# Altium PCB as_x31.PcbDoc (part 3 of 8) (continued)
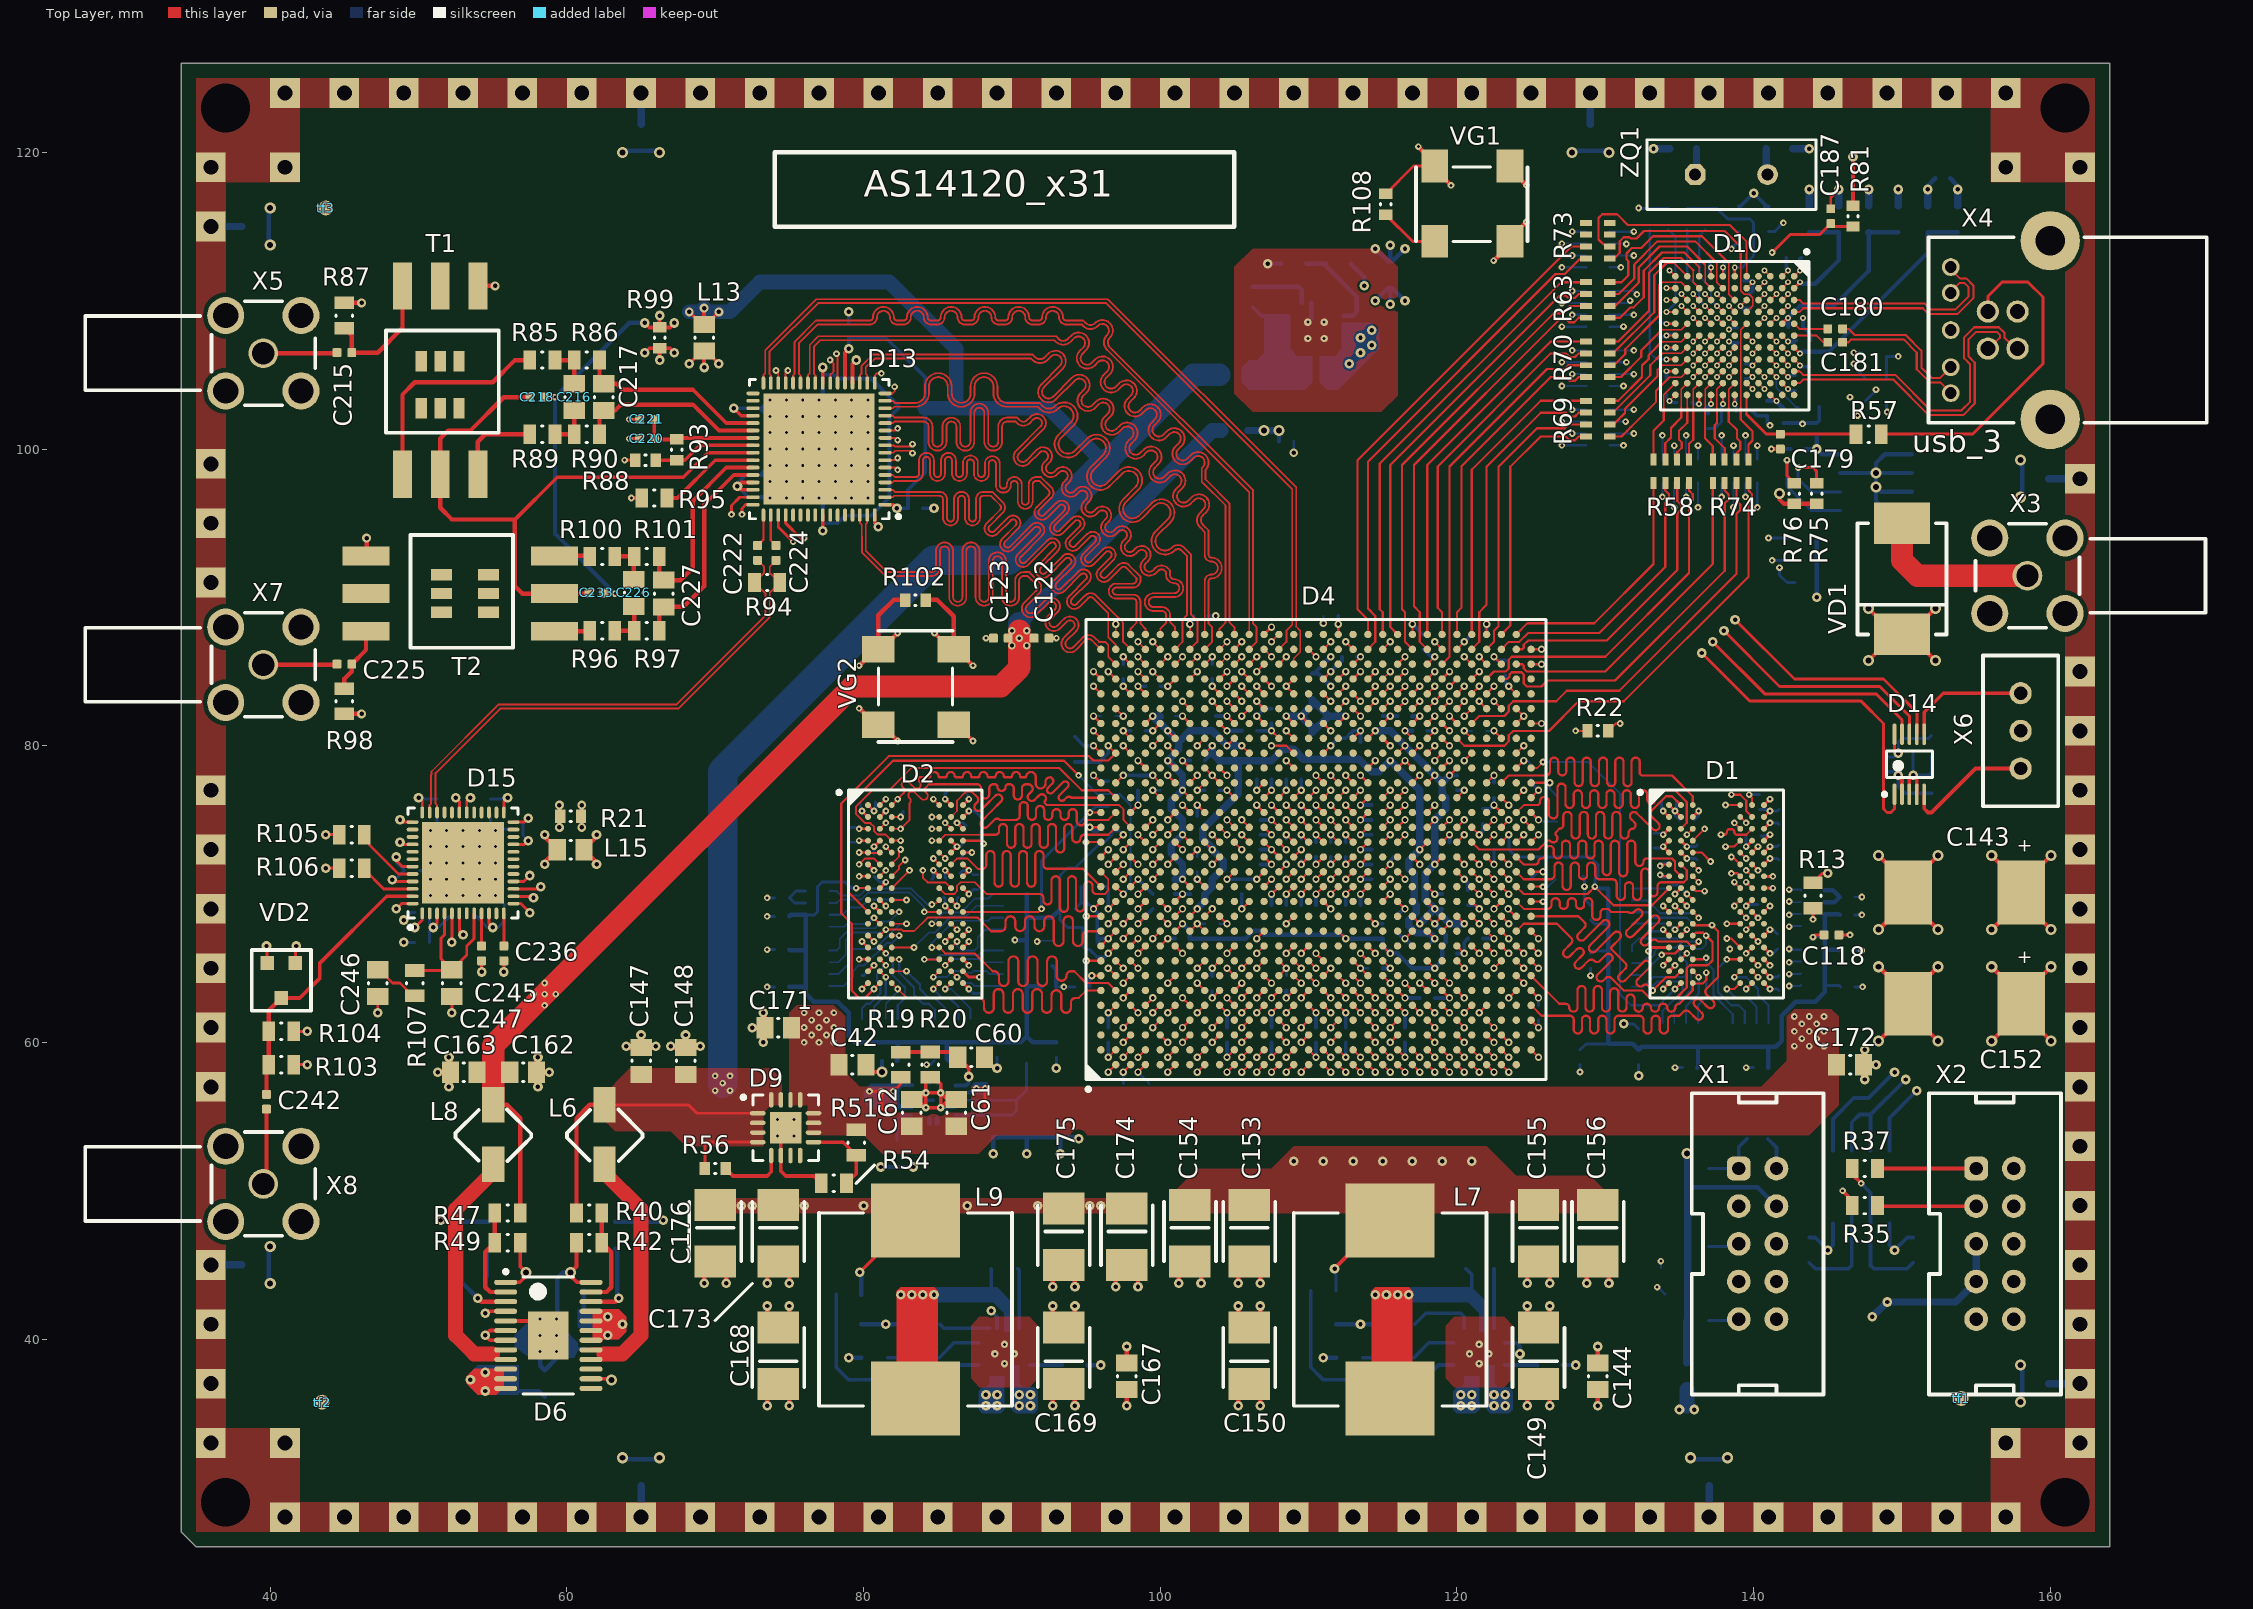
[diagram p0: Top Layer view]
## Nets (pads, with @x,y where several pads share a name; then routed paths per layer and width w, separated by ;. In a path a pad name is that pad's centre, name@x,y a point inside that pad or via, vN(x,y) a via of type N, cw(c..) or ccw(c..) an arc to the next point about the centre after c; other vN are vias at no path point) (continued)
  Bottom Layer w0.25: C160.1@56.25,39.9 57.85,39.9 v4(58.2,40.25) ; v4(59.3,39.15) 59.5,39.35 C159.1@61.25,39.35 ; C235.1@79,108.5 v3(79,109.25) ; v6(81.25,58) C8.2@81.25,58.75 ; D3.8@83.225,56.1 D3.11@84.7,56.1 ; C234.1@84,96 v3(84.75,96) ; v1(95.25,74.5) 95.5,74.25 C120.1@95.75,74.25 ; v1(95.5,69) 95.75,68.75 C121.1@95.75,67.75 C21.1@95.75,66.75 96,67 v1(96.5,67) ; v1(95.5,78) 95.9,77.6 R16.1@96.5,77.6 ; v1(96.5,59) C124.1@96.5,60 ; v1(97.5,78) C125.1@98.5,78 v1(99.5,78) ; v1(97.5,81) C126.1@98,81 ; v1(97.5,84) C142.1@97.5,84.5 ; v1(98.5,71) C127.1@99.5,70 ; v1(98.5,84) C141.1@99,84 ; v1(100.5,67) C95.1@101,67 ; C103.1@101,70 v1(101.5,70) C82.1@102,70 ; v1(101.5,79) C86.1@102,79 ; C132.1@102.5,75.25 v1(102.5,76) ; v1(102.5,77) C130.1@103,77 ; C100.1@103.25,88.75 v1(103.75,88.75) ; C140.1@103.5,85.5 v1(103.5,86) ; C133.1@103.75,82 v1(104.5,82) ; v1(104.5,59) C63.1@104.5,60 ; v1(104.5,71) C129.1@105.5,71 ; C129.1@105.5,71 v1(106.5,71) ; v1(106.5,77) C65.1@106.5,77.75 ; C73.1@106.5,81 v1(107.5,81) C99.1@107.5,81.5 ; C78.1@106.75,73 v1(107.5,73) ; C89.1@106.75,75 v1(107.5,75) ; v1(107.5,59) C75.1@107.5,60 ; C66.1@107.5,69.25 v1(107.5,70) ; C91.1@108.5,73.75 v1(108.5,74) ; v1(108.5,77) C77.1@108.5,77.75 ; C67.1@109.5,69.25 v1(109.5,70) ; v1(109.5,72) C92.1@109.5,72.25 ; v4(109.95,108.55) D12.17@110.175,108.775 ; v1(110.5,59) C64.1@110.5,60 ; C69.1@110.5,73.5 v1(110.5,74) ; C79.1@110.5,75.75 v1(110.5,76) ; v1(111.5,72) C81.1@111.5,72.5 ; v1(111.5,80) 112,80.5 C98.1@112.5,80.5 113,81 v1(113.5,81) ; v1(112.5,59) C94.1@112.5,60 ; C87.1@112.5,73.5 v1(112.5,74) ; C134.1@113.25,86 v1(113.5,86) ; C68.1@113.5,69.25 v1(113.5,70) ; v1(113.5,72) C80.1@114.25,72 ; v1(113.5,74) C88.1@114.25,74 ; v1(113.5,76) C90.1@114.25,76 ; C85.1@113.5,80.25 v1(113.5,81) ; v1(114.5,68) C110.1@115,68 ; C105.1@115,82 v1(115.5,82) C96.1@116,82 ; v1(115.5,72) 115.5,72.25 C84.1@115.75,72.5 ; C250.1@115.9,67.5 116.4,67 v1(116.5,67) C83.1@117,66.5 ; v1(116.5,59) C76.1@116.5,60 ; v1(116.5,63) C93.1@117.5,63 ; v1(117,88.2) 117.7,87.5 C97.1@117.75,87.5 ; C72.1@118,81 v1(118.5,81) ; v1(118.5,70) C108.1@119,70 ; C107.1@119.5,73.5 v1(119.5,74) ; C109.1@120,66 v1(120.5,66) 120.5,66.75 C113.1@120.75,67 ; C106.1@120,77 v1(120.5,77) ; v1(120.5,87) C104.1@121,87.5 ; C111.1@120.75,69.25 121.25,69.25 v1(121.5,69) ; C112.1@121.75,75.75 122.25,75.75 v1(122.5,76) C115.1@122.5,76.5 ; v1(122.5,86) 122.75,85.75 C117.1@123.25,85.75 ; R45.2@127.1,38.25 v3(128,38.25) ; R109.2@139,116.35 139.1,116.35 v3(140,117.25) 140.9,116.35 R68.2@141,116.35 ; C205.1@139.329,111.346 139.829,111.346 v5(139.929,111.246) 139.929,110.646 C206.1@139.729,110.446 ; C214.1@139.929,102.546 140.229,102.246 C211.1@140.929,102.246 140.929,101.771 v2(141.1,101.6) ; R33.1@140.95,53.5 141.54,52.91 X1.2@141.54,51.5 ; v2(141.2,100) C209.1@142.5,100 ; C210.1@142,101.75 143.25,101.75 v2(143.3,101.7) 143.35,101.75 C212.1@144.25,101.75 144.429,101.929 R60.2@144.429,102.846 ; v5(143.129,105.646) 143.229,105.546 C190.1@143.729,105.546 ; C208.1@143.2,112.9 143.129,112.829 v5(143.129,112.046) 143.229,112.146 C185.1@143.729,112.146 ; C188.1@143.329,108.246 143.829,107.746 C213.1@143.829,107.346 ; D5.5@149.155,47.8 149.155,46.345 v3(149.5,46) 150.35,46.85 R38.1@150.75,46.85
  Bottom Layer w0.3: v6(40,43.75) 39.9,43.85 L23.1@39.9,45 39.9,46.15 v6(40,46.25) ; v6(40,113.75) 39.9,113.85 L24.1@39.9,115 39.9,116.15 v6(40,116.25) ; v3(51.5,48) 51.6,47.9 C165.1@52.75,47.9 C164.1@54.75,47.9 ; v4(58.2,39.15) 58.2,38.2 C145.1@58.5,37.9 59.3,38.7 v4(59.3,39.15) ; v4(59.3,41.35) 59.35,41.4 C146.1@59.35,43.25 59.35,44.1 59.75,44.5 v6(60.25,44.5) ; C158.1@63.25,47.9 C157.1@65.25,47.9 66.4,47.9 v3(66.5,48) ; v2(63.25,90.25) 59.2,94.3 v2(59.2,103.5) 64.2,108.5 v3(65.25,108.5) ; v6(63.75,32) 63.85,31.9 L22.1@65,31.9 66.15,31.9 v6(66.25,32) ; v6(63.75,120) 63.85,120.1 L17.1@65,120.1 66.15,120.1 v6(66.25,120) ; v3(79,38.75) C178.1@79.85,38.75 ; R52.1@79.85,41 v3(81.5,41) C177.1@83.35,41 ; v3(81.15,51.6) C43.1@82.25,51.6 v3(83.35,51.6) ; v3(88.75,52.5) C39.1@88.75,53.6 C40.1@91,53.6 ; v3(91,52.5) C40.1@91,53.6 ; R14.2@92.75,65.15 93,64.9 C12.2@93,63.75 ; v3(93.25,52.5) C41.1@93.25,53.6 ; v3(94.5,53.5) 94.4,53.6 C41.1@93.25,53.6 ; R53.2@95.1,38.25 v3(96,38.25) ; v3(107.25,112.5) R83.1@108.15,112.5 ; D12.17@110.175,108.775 D12.6@110.175,109.875 ; v3(111,38.75) C166.1@111.85,38.75 ; R44.1@111.85,41 v3(113.5,41) ; v3(113.5,41) C161.1@115.35,41 ; v3(114.5,113.5) 115.35,112.65 C184.1@115.5,112.65 ; v3(115.5,113.75) C184.1@115.5,112.65 ; v3(116.5,113.5) 115.65,112.65 C184.1@115.5,112.65 ; v6(127.75,120) 127.85,120.1 L18.1@129,120.1 130.15,120.1 v6(130.25,120) ; v6(135.75,32) 135.85,31.9 L21.1@137,31.9 138.15,31.9 v6(138.25,32) ; C188.1@143.329,108.246 v5(143.329,108.846) ; D11.7@145.85,98.385 v6(148.25,98.385) ; D11.4@150.65,95.845 148.905,95.845 148.25,96.5 v6(148.25,97.443) ; D11.3@150.65,97.115 148.578,97.115 v6(148.25,97.443) ; D11.2@150.65,98.385 v6(148.25,98.385) ; D11.1@150.65,99.655 148.845,99.655 148.25,99.06 v6(148.25,98.385) ; C195.1@153.25,118.25 153.75,117.75 v3(153.75,117.5) ; v6(158,35.75) 158.1,35.85 L20.1@158.1,37 158.1,38.15 v6(158,38.25) ; v6(158,96.75) 158.1,96.85 L19.1@158.1,98 158.1,99.15 v6(158,99.25) ; C40.1@91,53.6 C41.1@93.25,53.6 ; v6(148.25,97.443) v6(148.25,98.385)
  Bottom Layer w0.5: v3(133.25,120.25) C182.1@134.35,120.25 ; C183.1@142.65,120.25 v3(143.75,120.25) ; C186.1@145.75,116.4 v3(145.75,117.5) ; C189.1@149.75,116.4 v3(149.75,117.5) ; C191.1@153.75,116.4 v3(153.75,117.5)
  other v2: 79.7,71.2
  other v3: 90.5,35.5 91.25,35.5 122.5,35.5 123.25,35.5 90.5,36.25 91.25,36.25 122.5,36.25 123.25,36.25
  other v4: 89.5,38.35 121.5,38.35 88.85,39 90.15,39 120.85,39 122.15,39 89.5,39.65 121.5,39.65 59.3,40.25 58.2,41.35 74.2,53.7 75.3,53.7 74.2,54.8 75.3,54.8 109.95,107.45 111.05,107.45 111.05,108.55
0VA: C220.2 C221.2 C228.1 C229.1 C230.1 C231.1 C232.1 D13.65 R87.1 R88.1 R95.2 R98.1 R99.2 T1.6 T2.6 X5.2 X7.2 | length 16.6
  Top Layer w0.2: v2(63.9,99.25) R88.1@64.6,99.25 R88.1@64.65,99.2 ; v2(64.2,100.7) C220.2@64.9,100.7 ; v2(64.2,102) C221.2@64.9,102 ; v2(64.35,96.7) R95.2@65.05,96.7 R95.2@65.1,96.65
  Top Layer w0.25: v3(65.25,106.5) 65.55,106.8 R99.2@66.25,106.8 ; v3(66.25,106) R99.2@66.25,106.8 ; v3(67.25,106.5) 66.95,106.8 R99.2@66.25,106.8
  Top Layer w0.3: R98.1@44.96,82.19 R98.1@45,82.15 v7(46.16,82.15) ; R87.1@44.96,109.89 R87.1@45,109.85 v7(46.16,109.85) ; T2.6@46.46,92.8 46.5,92.84 v7(46.5,94) ; T1.6@53.96,111.04 T1.6@54,111 v7(55.16,111)
  Bottom Layer w0.3: C232.1@73.05,96.75 73.65,96.75 v4(73.7,96.7) ; v4(73.7,97.8) 73.25,98.25 C231.1@73.05,98.25 v4(73.7,98.9) ; v4(73.7,102.2) 73.6,102.2 C230.1@73.05,102.75 73.15,102.75 v4(73.7,103.3) ; v4(77,96.7) 77.25,96.45 C229.1@77.25,96 ; v4(77,103.3) 77.25,103.55 C228.1@77.25,104
  other v4: 74.8,96.7 75.9,96.7 78.1,96.7 79.2,96.7 80.3,96.7 74.8,97.8 75.9,97.8 77,97.8 78.1,97.8 79.2,97.8 80.3,97.8 74.8,98.9 75.9,98.9 77,98.9 78.1,98.9 79.2,98.9 80.3,98.9 73.7,100 74.8,100 75.9,100 77,100 78.1,100 79.2,100 80.3,100 73.7,101.1 74.8,101.1 75.9,101.1 77,101.1 78.1,101.1 79.2,101.1 80.3,101.1 74.8,102.2 75.9,102.2 77,102.2 78.1,102.2 79.2,102.2 80.3,102.2 74.8,103.3 75.9,103.3 78.1,103.3 79.2,103.3 80.3,103.3
0VAA: C237.1 C238.1 C239.1 C240.1 C241.1 C243.1 C244.1 D15.49 R21.2 | length 9.4
  Top Layer w0.3: v7(59.5,74.5) 59.5,75.2 R21.2@59.55,75.25 59.5,75.3 v7(59.5,76)
  Bottom Layer w0.2: v3(49,66.75) C243.1@49.75,66.75 ; v3(49,68.25) 49.5,68.75 C244.1@49.75,68.75 ; C239.1@50.05,71.6 C239.1@50.2,71.6 ; v4(50.8,71) C239.1@50.2,71.6 ; v4(50.8,72.1) 50.3,71.6 C239.1@50.2,71.6 ; v4(50.8,74.3) 51.25,74.75 C238.1@51.25,75.4 ; C237.1@54.85,75.4 54.85,74.65 v4(55.2,74.3) 55.3,74.4 C241.1@56.05,74.4 ; v4(55.2,69.9) 55.8,69.3 C240.1@55.8,69.2
  other v4: 50.8,69.9 51.9,69.9 53,69.9 54.1,69.9 51.9,71 53,71 54.1,71 55.2,71 51.9,72.1 53,72.1 54.1,72.1 55.2,72.1 50.8,73.2 51.9,73.2 53,73.2 54.1,73.2 55.2,73.2 51.9,74.3 53,74.3 54.1,74.3
12V: C143.1 C144.1 C149.1 C150.1 C152.1 C167.1 C168.1 C169.1 D7.4 D7.5 D7.6 D8.4 D8.5 D8.6 VD1.1 | length 53.9
  Top Layer w0.3: v3(73.5,35.5) 73.5,36.21 C168.1@74.25,36.96 75,36.21 v3(75,35.5) ; v3(92.75,35.5) 92.75,36.21 C169.1@93.5,36.96 94.25,36.21 v3(94.25,35.5) ; v3(97.75,35.5) C167.1@97.75,36.6 ; v3(105.25,35.5) 105.25,36.21 C150.1@106,36.96 106.75,36.21 v3(106.75,35.5) ; v3(124.75,35.5) 124.75,36.21 C149.1@125.5,36.96 126.25,36.21 v3(126.25,35.5) ; v3(129.5,35.5) C144.1@129.5,36.6 ; v6(147.75,85.75) VD1.1@149.5,87.5 ; v6(147.75,89.25) VD1.1@149.5,87.5 ; v6(152.25,85.75) VD1.1@150.5,87.5 ; v6(152.25,89.25) VD1.1@150.5,87.5 ; v6(156.05,60.1) C152.1@158.05,62.1 ; v6(156.05,65.1) C152.1@158.05,63.1 ; v6(156.05,67.6) C143.1@158.05,69.6 ; v6(156.05,72.6) C143.1@158.05,70.6 ; v6(160.05,60.1) C152.1@158.05,62.1 ; v6(160.05,65.1) C152.1@158.05,63.1 ; v6(160.05,67.6) C143.1@158.05,69.6 ; v6(160.05,72.6) C143.1@158.05,70.6 ; VD1.1@149.5,87.5 VD1.1@150.5,87.5 ; C152.1@158.05,62.1 C152.1@158.05,62.6 C152.1@158.05,63.1 ; C152.1@158.05,62.1 C152.1@158.05,63.1 ; C143.1@158.05,69.6 C143.1@158.05,70.1 ; C143.1@158.05,69.6 C143.1@158.05,70.1 ; C143.1@158.05,70.1 C143.1@158.05,70.6 ; C143.1@158.05,70.1 C143.1@158.05,70.6
  other v3: 88.25,35.5 89,35.5 120.25,35.5 121,35.5 88.25,36.25 89,36.25 120.25,36.25 121,36.25
A_485: R37.2 X2.1 | length 6.7
  Top Layer w0.25: R37.2@148.35,51.5 X2.1@155,51.5
AD97_CS: D4.J27 D15.14 | length 55.2
  Top Layer w0.15: D4.J27@104,84.5 v1(104.5,85)
  Top Layer w0.2: D15.14@56.4,69.85 57.65,69.85 v3(57.75,69.75)
  int_1 w0.15: 94.5,84.5 104,84.5 v1(104.5,85)
  int_1 w0.2: v3(57.75,69.75) 61.25,69.75 76,84.5 94.5,84.5
AD5322_DIN: D4.V25 D14.9 | length 43.8
  Top Layer w0.15: D4.V25@113,82.5 v1(113.5,82)
  Top Layer w0.2: v3(137.25,87) 140.75,83.5 148.25,83.5 150,81.75 D14.9@150,80.775
  int_2 w0.2: v1(113.5,82) 114,82.5 114,83.25 114.25,83.5 114.672,83.5 115,83.828 115,85.5 116,86.5 123,86.5 123.5,87 v3(137.25,87)
AD5322_LDAC: D4.T24 D14.1 | length 51.1
  Top Layer w0.15: D4.T24@111,81.5 v1(111.5,81)
  Top Layer w0.2: v3(136.5,86.25) 139.75,83 147.25,83 148.75,81.5 148.75,75.75 149,75.5 149.25,75.5 149.5,75.75 D14.1@149.5,76.725
  int_2 w0.2: v1(111.5,81) 112.025,81.525 113.697,81.525 114.025,81.525 115,82.5 115,83.25 115.25,83.5 115.75,83.5 116,83.75 116,85.172 116.328,85.5 123,85.5 123.5,86 126.5,86 126.75,86.25 v3(136.5,86.25)
AD5322_SCLK: D4.V26 D14.8 | length 45
  Top Layer w0.15: D4.V26@113,83.5 v1(113.5,83)
  Top Layer w0.2: v3(138,87.75) 141.75,84 148.5,84 150.5,82 D14.8@150.5,80.775
  int_2 w0.2: v1(113.5,83) 113.5,84 114,84.5 114,86.5 115,87.5 123,87.5 123.25,87.75 v3(138,87.75)
AD5322_SYNC: D4.U26 D14.7 | length 46.5
  Top Layer w0.15: D4.U26@112,83.5 v1(112.5,84)
  Top Layer w0.2: v3(138.75,88.5) 142.75,84.5 148.75,84.5 151,82.25 D14.7@151,80.775
  int_2 w0.2: v1(112.5,84) 113,84.5 113,86.5 115.175,88.675 138.575,88.675 v3(138.75,88.5)
AD9517_EXT_CLK: C242.2 D15.47 R103.1 R104.2 VD2.1 | length 19.2
  Top Layer w0.25: VD2.1@40.75,63 42,63 43.35,64.35 43.35,65.35 47.85,69.85 D15.47@49.6,69.85
  Top Layer w0.3: C242.2@39.75,56.5 39.75,58.1 39.9,58.25 39.9,60.25 39.9,62.15 VD2.1@40.75,63
AD9517_FPGA_CLK: D4.P22 D15.48 VG2.3 | length 74.4
  Top Layer w0.15: v1(107.5,80) 108.5,80 D4.P22@109,79.5
  Top Layer w0.2: v3(48.5,69) 48.85,69.35 D15.48@49.6,69.35
  Top Layer w0.3: VG2.3@86.08,81.42 86.28,81.42 v2(87.38,80.32)
  int_1 w0.2: v3(48.5,69) 48,68.5 48,66.75 49.25,65.5 60.5,65.5 75.5,80.5 81,80.5 81.75,81.25 86.45,81.25 v2(87.38,80.32) 87.56,80.5 107,80.5 v1(107.5,80)
AD9517_REF_SEL: D4.K25 D15.6 | length 61.5
  Top Layer w0.15: v1(104.5,83) D4.K25@105,82.5
  Top Layer w0.2: D15.6@52.75,68.7 52.75,67.5 v3(53,67.25)
  int_2 w0.15: 94.5,83.5 101.8,83.5 102.8,82.5 104,82.5 v1(104.5,83)
  int_2 w0.2: v3(53,67.25) 53.5,66.75 60.25,66.75 77,83.5 94.5,83.5
AD9517_REFMON: D4.L25 D15.1 | length 67.1
  Top Layer w0.15: v1(105.5,82) D4.L25@106,82.5
  Top Layer w0.2: v3(49.75,67.75) 50.25,68.25 D15.1@50.25,68.7
  int_2 w0.15: 94.5,83 100.5,83 101,82.5 101.9,82.5 102.9,81.5 105,81.5 v1(105.5,82)
  int_2 w0.2: v3(49.75,67.75) 49.75,67 51.25,65.5 60.25,65.5 76.25,81.5 80,81.5 81.5,83 94.5,83
AD9517_SCLK: D4.K27 D15.13 | length 55.4
  Top Layer w0.15: v1(104.5,84) D4.K27@105,84.5
  Top Layer w0.2: D15.13@56.4,69.35 56.9,69.35 v3(57.5,68.75)
  int_1 w0.15: 94.5,83.5 104,83.5 v1(104.5,84)
  int_1 w0.2: v3(57.5,68.75) 61.25,68.75 76,83.5 94.5,83.5
AD9517_SDIO: D4.L26 D15.16 | length 57.1
  Top Layer w0.15: v1(105.5,84) D4.L26@106,83.5
  Top Layer w0.2: D15.16@56.4,70.85 57.1,70.85 v3(57.5,71.25)
  int_2 w0.15: 94.5,85.5 101,85.5 102,84.5 105,84.5 v1(105.5,84)
  int_2 w0.2: v3(57.5,71.25) 62.25,71.25 77.2,86.2 88.6,86.2 89.3,85.5 94.5,85.5
AD9517_SDO: D4.K26 D15.15 | length 56.3
  Top Layer w0.15: D4.K26@105,83.5 v1(105.5,83)
  Top Layer w0.2: D15.15@56.4,70.35 58.1,70.35 v3(58.25,70.5)
  int_2 w0.15: 94.5,84.5 101.4,84.5 102.4,83.5 105,83.5 v1(105.5,83)
  int_2 w0.2: v3(58.25,70.5) 62.75,70.5 76.75,84.5 94.5,84.5
AD9517_STATUS: D4.J25 D15.5 | length 60.8
  Top Layer w0.15: v1(103.5,83) D4.J25@104,82.5
  Top Layer w0.2: v3(52.25,66.75) D15.5@52.25,68.7
  int_1 w0.15: 94.5,82.5 103,82.5 v1(103.5,83)
  int_1 w0.2: v3(52.25,66.75) 52.5,66.5 60.5,66.5 75.5,81.5 80.75,81.5 81.75,82.5 94.5,82.5
ADC_CLK_N: C224.1 D15.34 R94.1 | length 34.1
  Top Layer w0.125: D15.34@51.25,75.5 51.25,76 51.15,76.1 51.15,78.15 55.5,82.5 67.5,82.5 73.675,88.675 73.675,90.325 R94.1@74.35,91 73.675,91.675 73.675,92.075 C224.1@74.1,92.5
ADC_CLK_P: C222.1 D15.35 R94.2 | length 34.2
  Top Layer w0.125: D15.35@50.75,75.5 50.75,76 50.85,76.1 50.85,78.027 50.875,78.052 50.875,78.264 55.386,82.775 67.386,82.775 73.4,88.789 73.4,90.25 R94.2@72.65,91 73.3,91.65 73.3,92.05 C222.1@72.85,92.5
ADC_CML: C218.1 C233.1 D13.41 T1.2 T2.2 | length 44.9
  Top Layer w0.25: 56.5,95.25 59.35,98.1 67.85,98.1 69.5,99.75 D13.41@72.55,99.75
  Top Layer w0.3: C218.1@57.5,103.5 55.75,103.5 53.5,101.25 52,101.25 51.46,100.71 T1.2@51.46,98.3 51.46,96.04 52.25,95.25 56.5,95.25 56.5,90.75 56.99,90.26 T2.2@59.16,90.26 61.46,90.26 C233.1@61.5,90.3
ADC_CSB: D4.M28 D13.51 | length 41.6
  Top Layer w0.15: v1(106.5,85) D4.M28@107,85.5
  Top Layer w0.2: D13.51@74.25,95.55 74.25,94.75 v2(75.25,93.75) v2@75.3,93.7
  int_2 w0.2: v2(75.25,93.75) 75.75,93.25 103.95,93.25 107,90.2 107,85.5 v1(106.5,85)
ADC_D0_N: D4.A29 D13.62 | length 49.8
  Top Layer w0.125: D13.62@79.75,95.55 79.75,95.03 79.875,94.905 79.875,94.136 79.885,94.126 79.885,93.04 81.49,91.435 84.57,91.435 ccw(c84.57,92.013) 85.147,92.013 85.147,93.122 cw(c85.46,93.122) 85.46,93.435 cw(c85.46,93.122) 85.772,93.122 85.772,90.012 ccw(c86.35,90.012) 86.35,89.435 ccw(c86.35,90.012) 86.927,90.012 86.927,93.122 cw(c87.24,93.122) 87.24,93.435 cw(c87.24,93.122) 87.552,93.122 87.552,90.012 ccw(c88.13,90.012) 88.13,89.435 ccw(c88.13,90.012) 88.707,90.012 88.707,92.461 cw(c89.02,92.461) 89.02,92.774 cw(c89.02,92.461) 89.332,92.461 89.332,90.012 ccw(c89.91,90.012) 89.91,89.435 ccw(c89.91,90.012) 90.487,90.012 90.487,91.122 cw(c90.8,91.122) 90.8,91.435 91.065,91.435 91.624,90.876 cw(c91.403,90.655) 91.716,90.655 cw(c91.403,90.655) 91.624,90.434 90.839,89.649 ccw(c91.248,89.241) 90.839,88.832 ccw(c91.248,89.241) 91.656,88.832 92.441,89.617 cw(c92.662,89.396) 92.883,89.617 cw(c92.662,89.396) 92.974,89.396 cw(c92.662,89.396) 92.883,89.175 92.424,88.716 ccw(c92.832,88.308) 92.424,87.9 ccw(c92.832,88.308) 93.24,87.9 93.699,88.359 cw(c93.92,88.138) 94.141,88.359 cw(c93.92,88.138) 94.233,88.138 cw(c93.92,88.138) 94.141,87.917 93.508,87.283 ccw(c93.916,86.875) 93.508,86.466 ccw(c93.916,86.875) 94.324,86.466 94.958,87.1 cw(c95.179,86.879) 95.4,87.1 95.687,86.813 D4.A29@96,86.5
ADC_D0_P: D4.B28 D13.63 | length 51.3
  Top Layer w0.125: D13.63@80.25,95.55 80.25,95.03 80.15,94.93 80.15,93.15 81.6,91.7 84.57,91.7 ccw(c84.57,92.013) 84.882,92.013 84.882,93.122 cw(c85.46,93.122) 85.46,93.7 cw(c85.46,93.122) 86.037,93.122 86.037,90.012 ccw(c86.35,90.012) 86.35,89.7 ccw(c86.35,90.012) 86.662,90.012 86.662,93.122 cw(c87.24,93.122) 87.24,93.7 cw(c87.24,93.122) 87.817,93.122 87.817,90.012 ccw(c88.13,90.012) 88.13,89.7 ccw(c88.13,90.012) 88.442,90.012 88.442,92.461 cw(c89.02,92.461) 89.02,93.039 cw(c89.02,92.461) 89.597,92.461 89.597,90.012 ccw(c89.91,90.012) 89.91,89.7 ccw(c89.91,90.012) 90.222,90.012 90.222,91.122 cw(c90.8,91.122) 90.8,91.7 91.175,91.7 91.811,91.063 cw(c91.403,90.655) 91.981,90.655 cw(c91.403,90.655) 91.811,90.247 91.027,89.462 ccw(c91.248,89.241) 91.027,89.02 ccw(c91.248,89.241) 91.468,89.02 92.253,89.805 cw(c92.662,89.396) 93.07,89.805 cw(c92.662,89.396) 93.239,89.396 cw(c92.662,89.396) 93.07,88.988 92.611,88.529 ccw(c92.832,88.308) 92.611,88.087 ; 92.612,88.087 ccw(c92.832,88.308) 93.053,88.087 93.512,88.546 cw(c93.92,88.138) 94.329,88.546 cw(c93.92,88.138) 94.498,88.138 cw(c93.92,88.138) 94.329,87.729 93.695,87.096 ccw(c93.916,86.875) 93.695,86.654 ; 93.696,86.653 ccw(c93.916,86.875) 94.137,86.654 94.771,87.287 cw(c95.179,86.879) 95.587,87.287 95.875,87 96.3,87 96.5,86.8 96.5,86 D4.B28@97,85.5
ADC_D1_N: D4.B29 D13.2 | length 51.6
  Top Layer w0.125: D13.2@81.45,96.75 81.97,96.75 82.07,96.85 85.12,96.85 cw(c85.12,96.613) 85.358,96.613 85.358,95.353 ccw(c85.86,95.353) 86.363,95.353 86.363,96.613 cw(c86.6,96.613) 86.838,96.613 86.838,95.353 ccw(c87.34,95.353) 87.843,95.353 87.843,96.613 cw(c88.08,96.613) 88.08,96.85 88.575,96.85 89.198,96.228 cw(c89.03,96.06) 89.267,96.06 cw(c89.03,96.06) 89.198,95.892 88.307,95.001 ccw(c88.662,94.646) 89.017,94.29 89.908,95.181 cw(c90.076,95.013) 90.244,95.182 ; 90.245,95.181 cw(c90.076,95.013) 90.314,95.013 cw(c90.076,95.013) 90.244,94.845 89.353,93.954 ccw(c89.708,93.599) 90.064,93.244 91.515,94.695 cw(c91.683,94.527) 91.851,94.695 ; 91.851,94.694 cw(c91.683,94.527) 91.92,94.527 cw(c91.683,94.527) 91.851,94.359 90.4,92.908 ccw(c90.755,92.552) 91.11,92.197 92.561,93.648 cw(c92.729,93.48) 92.896,93.648 ; 92.808,91.13 ccw(c93.164,90.775) 93.519,90.42 94.654,91.555 cw(c94.822,91.387) 94.99,91.555 cw(c94.822,91.387) 95.059,91.387 cw(c94.822,91.387) 94.99,91.219 93.855,90.084 ccw(c94.21,89.729) 94.566,89.373 95.141,89.949 cw(c95.309,89.781) 95.477,89.949 96.5,88.925 96.5,87.3 97,86.8 D4.B29@97,86.5 ; 92.808,91.13 93.943,92.265 ccw(c93.775,92.433) 94.013,92.433 ccw(c93.775,92.433) 93.943,92.601 ; 92.897,93.648 cw(c92.729,93.48) 92.966,93.48 cw(c92.729,93.48) 92.897,93.312 91.762,92.177 ccw(c92.117,91.822) 92.473,91.466 93.607,92.601 cw(c93.775,92.433) 93.943,92.602
ADC_D1_P: D4.C29 D13.3 | length 52.3
  Top Layer w0.125: D13.3@81.45,97.25 81.97,97.25 82.105,97.115 85.12,97.115 cw(c85.12,96.613) 85.623,96.613 85.623,95.353 ccw(c85.86,95.353) 86.098,95.353 86.098,96.613 cw(c86.6,96.613) 87.103,96.613 87.103,95.353 ccw(c87.34,95.353) 87.578,95.353 87.578,96.613 cw(c88.08,96.613) 88.08,97.115 88.685,97.115 89.385,96.415 cw(c89.03,96.06) 89.532,96.06 cw(c89.03,96.06) 89.385,95.704 88.494,94.813 ccw(c88.662,94.646) 88.494,94.478 ccw(c88.662,94.646) 88.83,94.478 89.721,95.369 cw(c90.076,95.013) 90.431,95.369 cw(c90.076,95.013) 90.579,95.013 cw(c90.076,95.013) 90.431,94.658 89.541,93.767 ccw(c89.708,93.599) 89.541,93.431 ; 89.541,93.431 ccw(c89.708,93.599) 89.876,93.431 91.327,94.882 cw(c91.683,94.527) 92.185,94.527 cw(c91.683,94.527) 92.038,94.172 90.587,92.72 ccw(c90.755,92.552) 90.587,92.385 ccw(c90.755,92.552) 90.923,92.385 92.373,93.835 cw(c92.729,93.48) 93.231,93.48 cw(c92.729,93.48) 93.084,93.124 ; 93.084,93.124 91.949,91.99 ccw(c92.117,91.822) 91.949,91.654 ccw(c92.117,91.822) 92.285,91.654 93.42,92.788 cw(c93.775,92.433) 94.278,92.433 cw(c93.775,92.433) 94.131,92.078 92.996,90.943 ccw(c93.164,90.775) 92.996,90.607 ccw(c93.164,90.775) 93.332,90.607 94.466,91.742 cw(c94.822,91.387) 95.324,91.387 cw(c94.822,91.387) 95.177,91.031 94.042,89.897 ccw(c94.21,89.729) 94.042,89.561 ; 94.042,89.561 ccw(c94.21,89.729) 94.378,89.561 94.953,90.136 cw(c95.309,89.781) 95.664,90.136 97.162,88.638 97.181,88.638 97.438,88.381 97.438,88.362 97.5,88.3 97.5,87 D4.C29@98,86.5
ADC_D2_N: D4.C30 D13.4 | length 56.4
  Top Layer w0.125: D13.4@81.45,97.75 81.97,97.75 82.07,97.85 83.5,97.85 ccw(c83.5,98.353) 84.003,98.353 84.003,99.235 cw(c84.24,99.235) 84.478,99.235 84.478,98.353 ccw(c84.98,98.353) 85.483,98.353 85.483,99.235 cw(c85.72,99.235) 85.958,99.235 85.958,98.353 ccw(c86.46,98.353) 86.963,98.353 86.963,99.059 cw(c87.2,99.059) 87.438,99.059 87.438,98.353 ccw(c87.94,98.353) 88.443,98.353 88.443,99.017 cw(c88.68,99.017) 88.918,99.017 88.918,97.569 ccw(c89.42,97.569) 89.923,97.569 89.923,97.613 cw(c90.16,97.613) 90.398,97.613 90.398,96.477 ccw(c90.9,96.477) 91.403,96.477 91.403,97.613 cw(c91.64,97.613) 91.64,97.85 91.85,97.85 92.472,97.228 cw(c92.304,97.06) 92.542,97.06 cw(c92.304,97.06) 92.472,96.892 91.67,96.089 ccw(c92.025,95.734) 92.381,95.379 93.183,96.181 cw(c93.351,96.013) 93.518,96.182 ; 93.519,96.181 cw(c93.351,96.013) 93.588,96.013 cw(c93.351,96.013) 93.519,95.845 92.716,95.042 ccw(c93.071,94.687) 93.427,94.332 94.229,95.135 cw(c94.397,94.967) 94.565,95.135 ; 94.566,95.134 cw(c94.397,94.967) 94.635,94.967 cw(c94.397,94.967) 94.565,94.799 93.762,93.996 ccw(c94.118,93.64) 94.473,93.285 95.276,94.088 cw(c95.444,93.92) 95.611,94.089 cw(c95.444,93.92) 95.681,93.92 cw(c95.444,93.92) 95.612,93.752 94.809,92.949 ccw(c95.164,92.594) 95.52,92.239 96.323,93.042 cw(c96.49,92.874) 96.658,93.042 cw(c96.49,92.874) 96.728,92.874 cw(c96.49,92.874) 96.658,92.706 95.855,91.903 ccw(c96.211,91.547) 96.566,91.192 97.369,91.995 cw(c97.537,91.827) 97.705,91.995 98.4,91.3 98.4,91.16 cw(c98.162,91.16) 98.162,90.922 97.027,90.922 ccw(c97.027,90.42) 97.027,89.917 98.162,89.917 cw(c98.162,89.68) 98.4,89.68 98.4,88.824 98.4,88.3 98,87.9 D4.C30@98,87.5
ADC_D2_P: D4.D30 D13.5 | length 56.8
  Top Layer w0.125: D13.5@81.45,98.25 81.97,98.25 82.105,98.115 83.5,98.115 ccw(c83.5,98.353) 83.738,98.353 83.738,99.235 cw(c84.24,99.235) 84.743,99.235 84.743,98.353 ccw(c84.98,98.353) 85.218,98.353 85.218,99.235 cw(c85.72,99.235) 86.223,99.235 86.223,98.353 ccw(c86.46,98.353) 86.698,98.353 86.698,99.059 cw(c87.2,99.059) 87.703,99.059 87.703,98.353 ccw(c87.94,98.353) 88.178,98.353 88.178,99.017 cw(c88.68,99.017) 89.183,99.017 89.183,97.569 ccw(c89.42,97.569) 89.658,97.569 89.658,97.613 cw(c90.16,97.613) 90.663,97.613 90.663,96.477 ccw(c90.9,96.477) 91.138,96.477 91.138,97.613 cw(c91.64,97.613) 91.64,98.115 91.96,98.115 92.66,97.415 cw(c92.304,97.06) 92.807,97.06 cw(c92.304,97.06) 92.66,96.704 91.857,95.902 ccw(c92.025,95.734) 91.857,95.566 ccw(c92.025,95.734) 92.193,95.566 92.996,96.369 cw(c93.351,96.013) 93.706,96.369 cw(c93.351,96.013) 93.853,96.013 cw(c93.351,96.013) 93.706,95.658 92.903,94.855 ccw(c93.071,94.687) 92.903,94.519 ; 92.904,94.519 ccw(c93.071,94.687) 93.239,94.519 94.042,95.322 cw(c94.397,94.967) 94.753,95.322 cw(c94.397,94.967) 94.9,94.967 cw(c94.397,94.967) 94.753,94.611 93.95,93.808 ccw(c94.118,93.64) 93.949,93.473 ; 93.95,93.473 ccw(c94.118,93.64) 94.286,93.473 95.089,94.275 cw(c95.444,93.92) 95.799,94.275 ; 94.996,92.426 ccw(c95.164,92.594) 95.332,92.426 96.135,93.229 cw(c96.49,92.874) 96.846,93.229 cw(c96.49,92.874) 96.993,92.874 cw(c96.49,92.874) 96.846,92.518 96.043,91.715 ccw(c96.211,91.547) 96.042,91.38 ; 94.996,92.426 cw(c95.164,92.594) 94.996,92.762 95.799,93.565 ; 95.799,93.565 ccw(c95.444,93.92) 95.946,93.92 ccw(c95.444,93.92) 95.799,94.275 ; 96.043,91.379 ccw(c96.211,91.547) 96.379,91.379 97.182,92.182 cw(c97.537,91.827) 97.892,92.182 98.665,91.41 98.665,91.16 cw(c98.162,91.16) 98.162,90.657 97.027,90.657 ccw(c97.027,90.42) 97.027,90.182 98.162,90.182 cw(c98.162,89.68) 98.665,89.68 98.665,88.824 98.675,88.814 98.675,88.225 99,87.9 D4.D30@99,87.5
ADC_D3_N: D4.D29 D13.6 | length 55.1
  Top Layer w0.125: D13.6@81.45,98.75 82.15,98.75 v2(82.3,98.6) ; v1(98.5,87) D4.D29@99,86.5
  int_1 w0.13: v2(82.3,98.6) 82.535,98.835 87.598,98.835 88.3,98.133 ccw(c88.88,98.713) 89.46,98.133 90.138,98.812 cw(c90.485,98.465) 90.831,98.812 ; 90.831,98.812 cw(c90.485,98.465) 90.975,98.465 cw(c90.485,98.465) 90.831,98.119 88.182,95.469 ccw(c88.762,94.89) 89.341,94.31 91.674,96.642 cw(c92.021,96.296) 92.366,96.643 ; 92.367,96.642 cw(c92.021,96.296) 92.511,96.296 cw(c92.021,96.296) 92.367,95.949 90.034,93.617 ccw(c90.614,93.037) 91.194,92.457 93.36,94.623 cw(c93.707,94.277) 94.053,94.623 ; 94.054,94.623 cw(c93.707,94.277) 94.197,94.277 cw(c93.707,94.277) 94.053,93.93 91.887,91.764 ccw(c92.467,91.184) 93.047,90.605 95.206,92.764 cw(c95.552,92.417) 95.899,92.764 cw(c95.552,92.417) 96.042,92.417 cw(c95.552,92.417) 95.899,92.071 93.74,89.912 ccw(c94.319,89.332) 94.899,88.752 95.944,89.797 cw(c96.29,89.45) 96.637,89.797 98.5,87.933 v1(98.5,87)
ADC_D3_P: D4.D28 D13.7 | length 56.9
  Top Layer w0.125: D13.7@81.45,99.25 82.15,99.25 v2(82.3,99.4) ; v1(98.5,86) D4.D28@99,85.5
  int_1 w0.13: v2(82.3,99.4) 82.535,99.165 87.735,99.165 88.533,98.367 ccw(c88.88,98.713) 89.226,98.367 89.905,99.045 cw(c90.485,98.465) 91.305,98.465 cw(c90.485,98.465) 91.064,97.885 88.415,95.236 ccw(c88.762,94.89) 88.415,94.543 ; 88.416,94.543 ccw(c88.762,94.89) 89.108,94.543 91.441,96.876 cw(c92.021,96.296) 92.841,96.296 cw(c92.021,96.296) 92.6,95.716 90.268,93.383 ccw(c90.614,93.037) 90.268,92.691 ; 90.268,92.69 ccw(c90.614,93.037) 90.961,92.691 93.127,94.857 cw(c93.707,94.277) 94.527,94.277 cw(c93.707,94.277) 94.286,93.697 92.12,91.531 ccw(c92.467,91.184) 92.12,90.838 ; 92.121,90.837 ccw(c92.467,91.184) 92.813,90.838 94.973,92.997 cw(c95.552,92.417) 96.372,92.417 cw(c95.552,92.417) 96.132,91.838 93.973,89.678 ccw(c94.319,89.332) 93.972,88.986 ; 93.973,88.985 ccw(c94.319,89.332) 94.666,88.985 95.71,90.03 cw(c96.29,89.45) 96.87,90.03 98.83,88.07 98.83,87.47 99.015,87.285 99.015,86.787 98.5,86.272 v1(98.5,86)
ADC_D4_N: D4.D27 D13.8 | length 54.5
  Top Layer w0.125: D13.8@81.45,99.75 82,99.75 82.137,99.887 83.137,99.887 v2(83.3,99.725) ; v1(98.5,85) D4.D27@99,84.5
  int_1 w0.13: v2(83.3,99.725) 83.945,99.725 84.3,99.725 ccw(c84.3,100.395) 84.97,100.395 84.97,100.66 cw(c85.31,100.66) 85.65,100.66 85.65,100.395 ccw(c86.32,100.395) 86.32,99.725 90.36,99.725 ccw(c90.36,100.395) 91.03,100.395 91.03,100.455 cw(c91.37,100.455) 91.71,100.455 91.71,98.328 ccw(c92.38,98.328) 93.05,98.328 93.05,99.385 cw(c93.39,99.385) 93.39,99.725 93.675,99.725 93.789,99.611 ccw(c94.263,100.084) 94.737,99.611 95.046,99.92 cw(c95.286,99.679) 95.527,99.92 ; 95.527,99.919 cw(c95.286,99.679) 95.626,99.679 cw(c95.286,99.679) 95.527,99.439 93.398,97.31 ccw(c93.872,96.836) 94.345,96.363 95.451,97.468 cw(c95.691,97.228) 95.931,97.469 ; 95.932,97.468 cw(c95.691,97.228) 96.031,97.228 cw(c95.691,97.228) 95.932,96.987 94.826,95.882 ccw(c95.3,95.408) 95.774,94.934 96.879,96.04 cw(c97.12,95.799) 97.36,96.04 ; 97.36,96.04 cw(c97.12,95.799) 97.46,95.799 cw(c97.12,95.799) 97.36,95.559 96.255,94.453 ccw(c96.728,93.98) 97.202,93.506 98.308,94.611 cw(c98.548,94.371) 98.789,94.611 100,93.4 100,92.228 cw(c99.66,92.228) 99.66,91.888 99.49,91.888 ccw(c99.49,91.218) 99.49,90.548 99.66,90.548 cw(c99.66,90.208) 100,90.208 100,86.6 99.17,85.77 99.17,85.67 v1(98.5,85)